# Altium PCB HLib-MBoard1.PcbDoc (part 1 of 2)
Units mm, origin at the board's own origin, x right, y up, seen from the top; angles counter-clockwise.
Board outline 101.92 x 63.82 mm, 2 copper layers (Top Layer, Bottom Layer), stack 1.671 mm thick; 134 components, 127 nets, 456 pads, 154 vias.
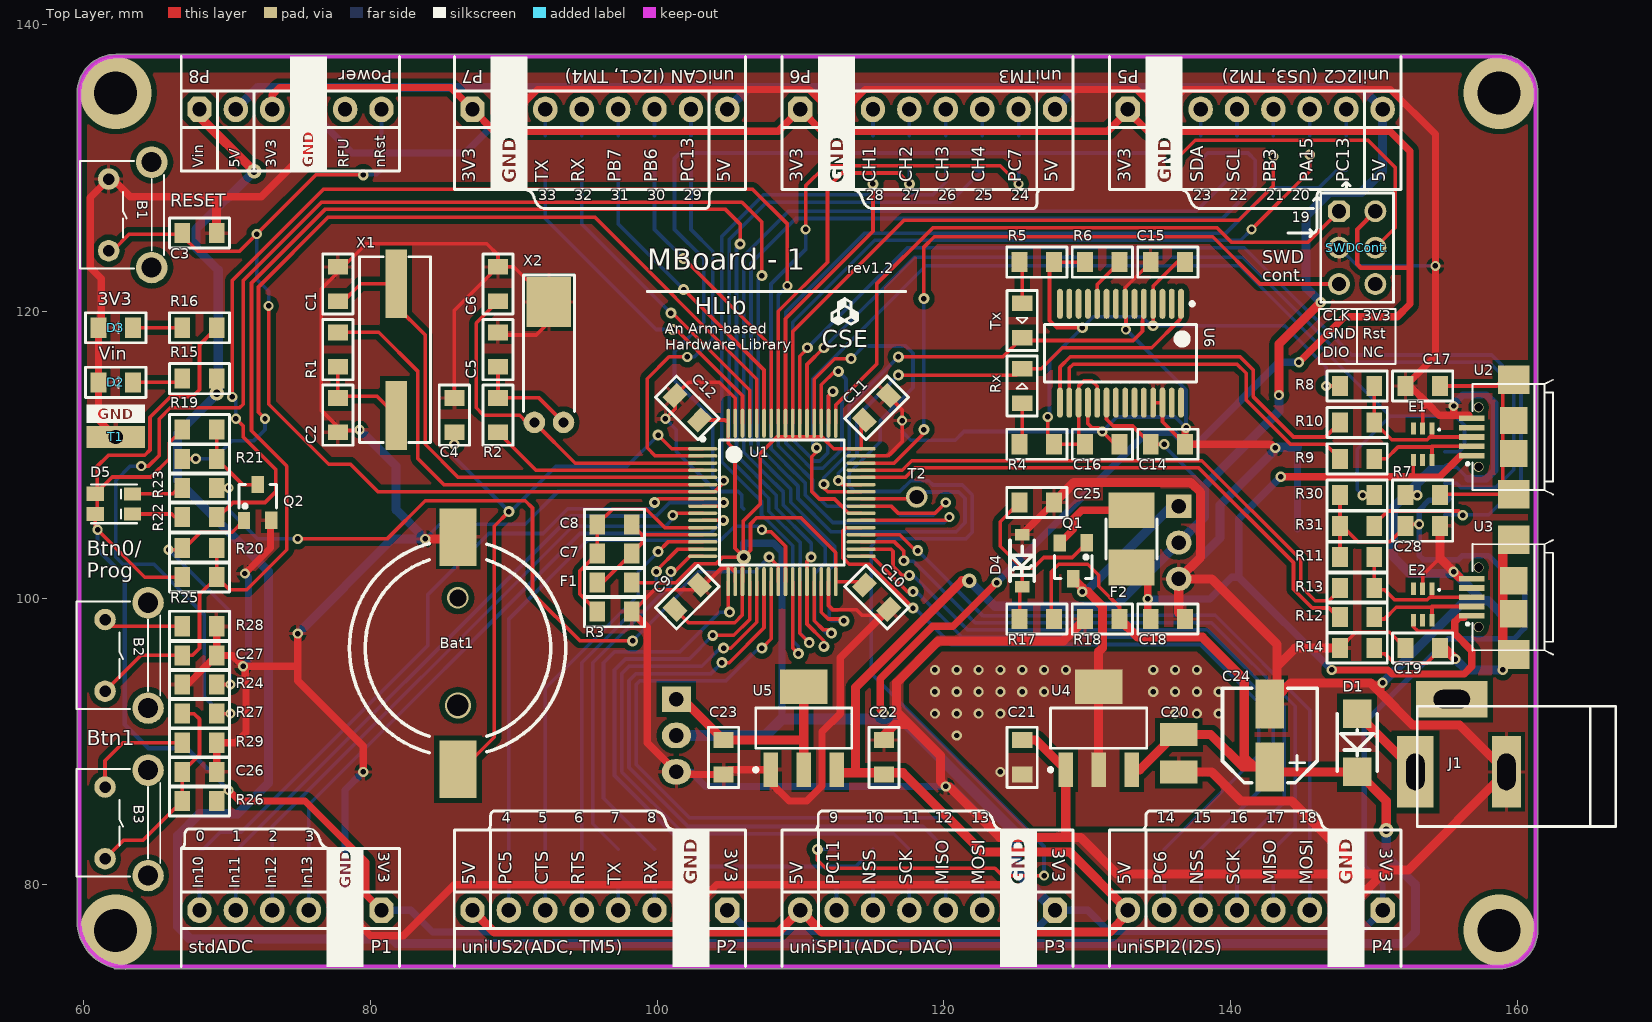
[diagram p0: Top Layer view]
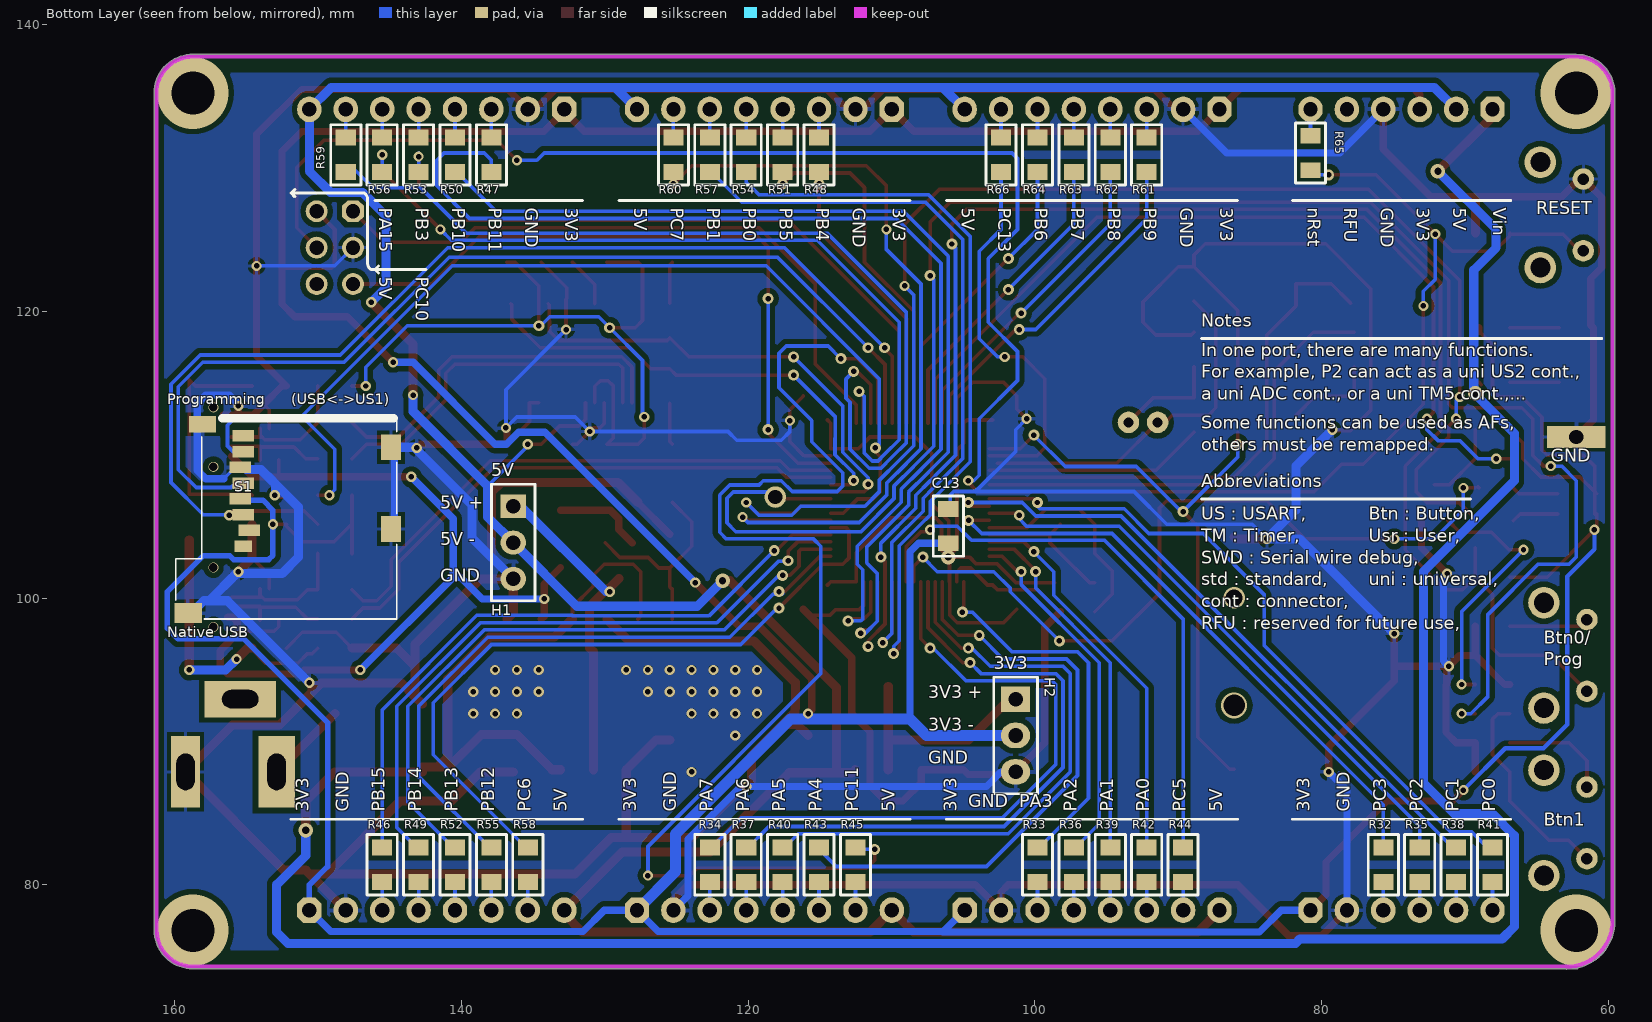
[diagram p1: Bottom Layer view, seen from below]
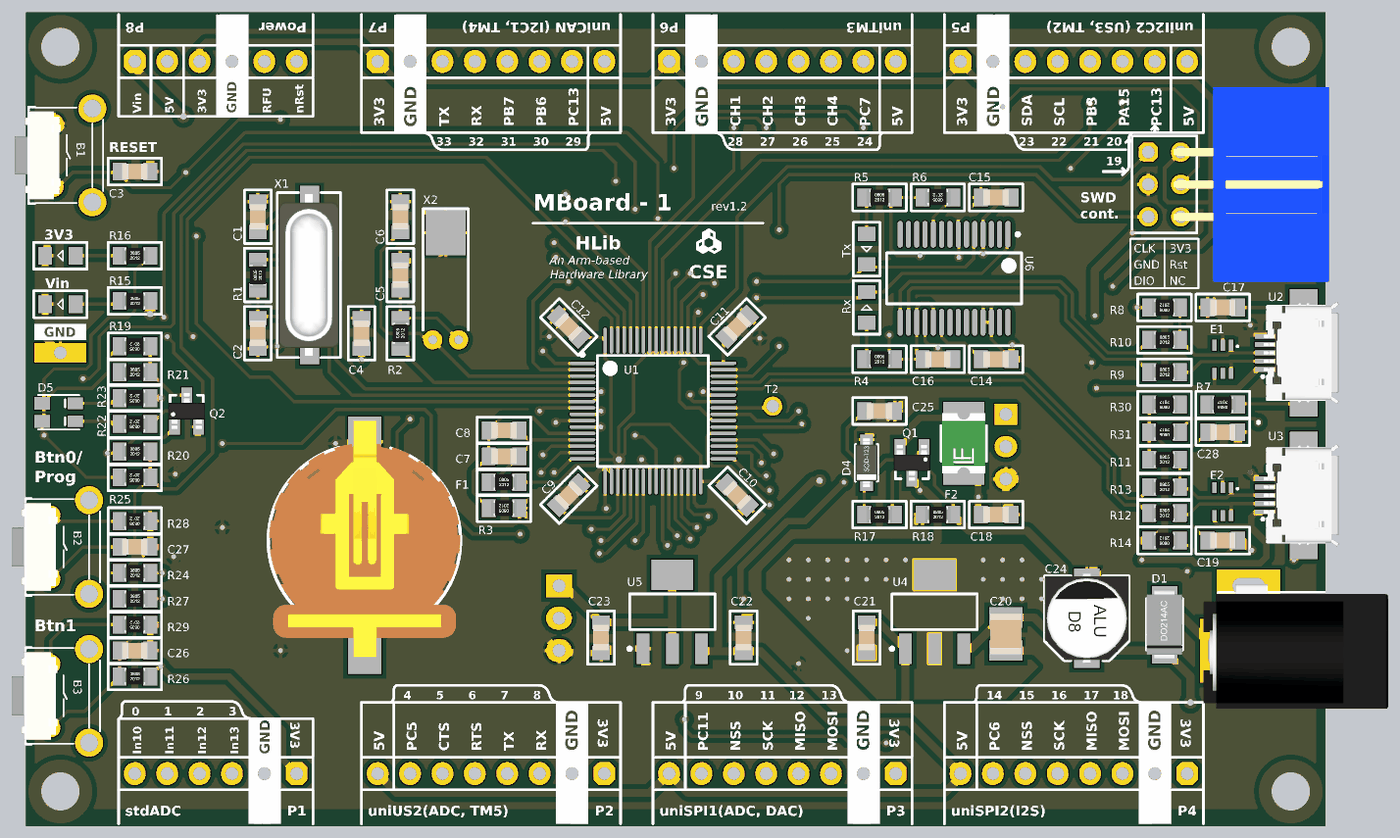
[diagram p3: 3D render of the assembled board from above, using the file's embedded part models]
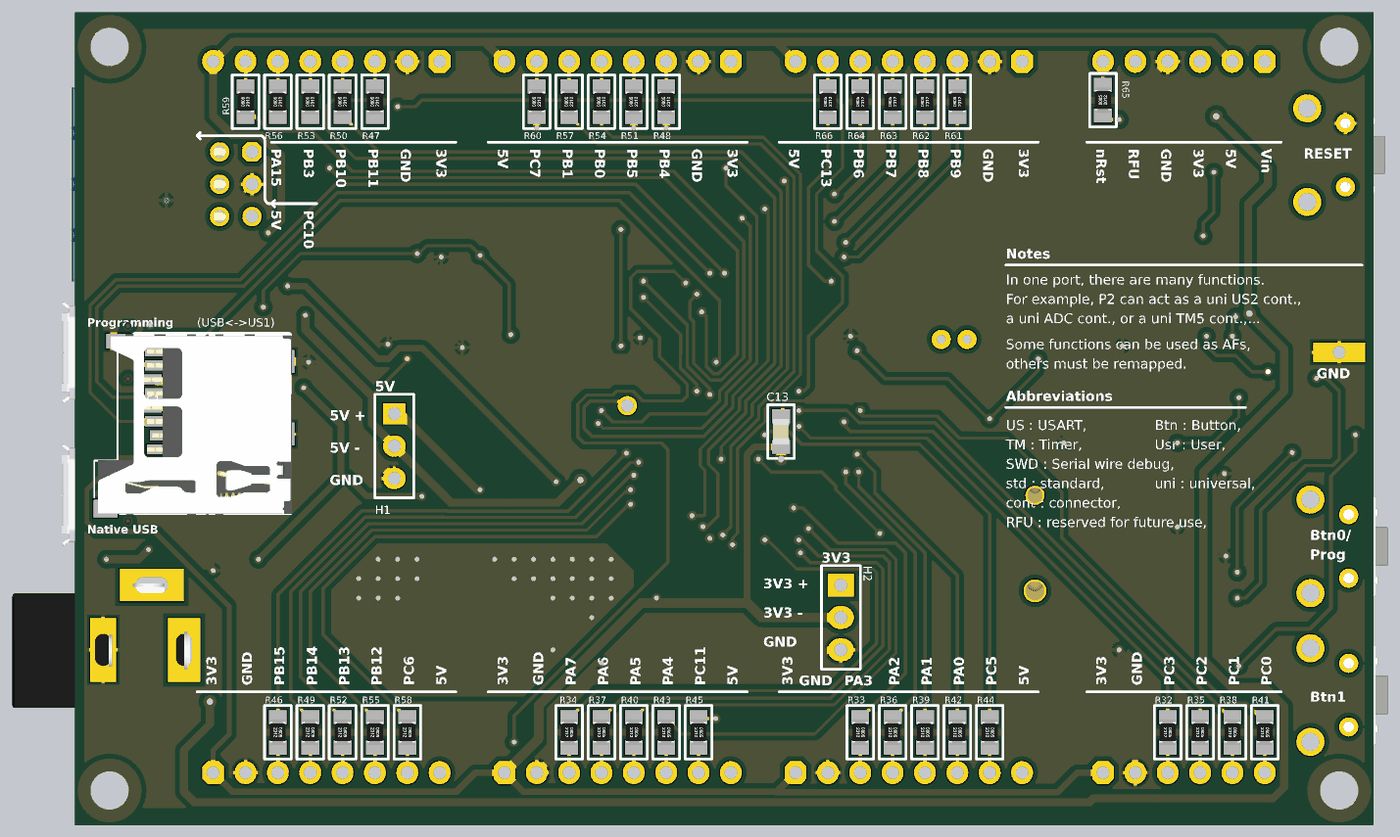
[diagram p4: 3D render of the assembled board from below, using the file's embedded part models]

## Layer stack, top to bottom
Top Solder: solder mask 0.0102, Solder Resist, Dk 3.5
Top Layer: signal copper 0.0356
Dielectric1: core 1.6, FR-4, Dk 4.8
Bottom Layer: signal copper 0.0356
Bottom Solder: solder mask 0.0102, Solder Resist, Dk 3.5

## Board outline
62.098,74.222 ccw(c62.23,74.295) 62.23,74.145 62.555,74.145 ccw(c62.888,77.476) 62.906,74.128 ccw(c62.905,74.278) 62.974,74.145 158.753,74.145 ccw(c158.753,74.295) 158.753,74.145 ccw(c158.748,76.837) 161.44,76.837 ccw(c158.748,76.837) 161.44,76.851 ccw(c158.748,76.837) 161.44,76.852 161.44,76.851 161.44,135.191 ccw(c161.306,135.258) 161.456,135.258 ccw(c161.306,135.258) 161.456,135.258 ccw(c158.764,135.253) 158.749,137.945 ccw(c158.75,137.795) 158.744,137.945 ccw(c158.737,137.795) 158.737,137.945 62.23,137.945 ccw(c62.23,137.795) 62.23,137.945 ccw(c62.235,135.253) 59.543,135.269 ccw(c59.69,135.239) 59.54,135.239 59.54,77.47 ccw(c59.69,77.47) 59.54,77.47 ccw(c62.888,77.476)

## Design rules (kind name [scope] priority, off if disabled: settings)
Clearance Clearance_1 [InPolygon] p1: gap=0.381
Clearance [(InNamedPolygon('Bot') OR InNamedPolygon('Top'))] p2: gap=0.381
Clearance Clearance_2 [All] p3: gap=0.229
DiffPairsRouting DiffPairsRouting_1 [All] p1: maxlimit=0.254 minlimit=0.254 mostfreqgap=0.254 toplayer_minwidth=0.381 toplayer_maxwidth=0.381 toplayer_prefwidth=0.381 bottomlayer_minwidth=0.381 bottomlayer_maxwidth=0.381 bottomlayer_prefwidth=0.381 maxuncoupledlength=12.7
HoleSize [All] p1: absolutevalues=TRUE maxlimit=7.62 minlimit=0.025 maxpercent=80.000 minpercent=20.000
PolygonConnect [All] p1: connectstyle=Relief reliefconductorwidth=0.254 reliefentries=4 polygonreliefangle="90 Angle" airgapwidth=0.254
PolygonConnect PolygonConnect_1 [All] p2: connectstyle=Direct reliefconductorwidth=0.254 reliefentries=4 polygonreliefangle="90 Angle" airgapwidth=0.254
RoutingVias [All] p1: holewidth=0.635 width=1.016 viastyle="Through Hole" minholewidth=0.711 minwidth=1.27 maxholewidth=0.711 maxwidth=1.27
SilkToSilkClearance [All] p1: silktosilkclearance=0.025
SolderMaskExpansion [All] p1: expansion=0.102
Width [All] p1: maxlimit=0.762 minlimit=0.254 preferedwidth=0.254
27 further rules are at their usual default settings.

## Classes and differential pairs
component class U_MB1-Hed-r1: P1 P2 P3 P4 P5 P6 P7 P8 R32 R33 R34 R35 R36 R37 R38 R39 R40 R41 R42 R43 R44 R45 R46 R47 R48 R49 R50 R51 R52 R53 R54 R55 R56 R57 R58 R59 R60 R61 R62 R63 R64 R65 R66
component class U_MB1-MCU-r1: B1 Bat1 C0 C1 C2 C3 C4 C5 C6 C7 C8 C9 C10 C11 C12 C13 F1 R1 R2 R3 SWDCont. U1 X1 X2
component class U_MB1-Pwr-r1: C20 C21 C22 C23 C24 C25 D1 D2 D3 D4 D25 F2 H1 H2 J1 Q1 R15 R16 R17 R18 T1 U4 U5
component class U_MB1-USB-r1: C14 C15 C16 C17 C18 C19 E1 E2 R4 R5 R6 R7 R8 R9 R10 R11 R12 R13 R14 Rx Tx U2 U3 U6
component class U_MB1-LED_BUTTON: B2 B3 C26 C27 D5 D51 Q2 R19 R20 R21 R22 R23 R24 R25 R26 R27 R28 R29 T2
component class U_MB1-SD_CARD: C28 R30 R31 S1
differential pair D01: +D01_P -D01_N
differential pair D03: +D03_P -D03_N
differential pair D10: +D10_P -D10_N
differential pair D11: +D11_P -D11_N

## Components (designator, comment, footprint, x,y, rotation, side; value= is the part's Value field where it differs from the comment)
B1 "Btn4" Horizon_SW_4pin_rectangular 62.738,126.746 r270 top (schematic designator B00)
B2 "User0/Boot" Horizon_SW_4pin_rectangular 62.484,96.012 r270 top (schematic designator BT51)
B3 "User1" Horizon_SW_4pin_rectangular 62.484,84.328 r270 top (schematic designator BT52)
Bat1 "PIN 3V" PIN3VSOCKET-SMD 86.106,96.52 r270 top (schematic designator B0)
C1 "CAP Ceramic" SM_0805_C_CERAMIC 77.724,121.92 r270 top (schematic designator C09)
C2 "CAP Ceramic" SM_0805_C_CERAMIC 77.724,112.776 r90 top (schematic designator C010)
C3 "CAP Ceramic" SM_0805_C_CERAMIC 68.072,125.476 r180 top (schematic designator C08)
C4 "CAP Ceramic" SM_0805_C_CERAMIC 85.852,112.776 r270 top (schematic designator C05)
C5 "CAP Ceramic" SM_0805_C_CERAMIC 88.9,117.348 r270 top (schematic designator C011)
C6 "CAP Ceramic" SM_0805_C_CERAMIC 88.9,121.92 r270 top (schematic designator C012)
C7 "CAP Ceramic" SM_0805_C_CERAMIC 97.028,103.124 r0 top (schematic designator C06)
C8 "CAP Ceramic" SM_0805_C_CERAMIC 97.028,105.156 r0 top (schematic designator C07)
C9 "CAP Ceramic" SM_0805_C_CERAMIC 102.108,100.076 r225 top (schematic designator C00)
C10 "CAP Ceramic" SM_0805_C_CERAMIC 115.316,100.076 r135 top (schematic designator C01)
C11 "CAP Ceramic" SM_0805_C_CERAMIC 115.316,113.284 r225 top (schematic designator C02)
C12 "CAP Ceramic" SM_0805_C_CERAMIC 102.108,113.284 r315 top (schematic designator C03)
C13 "CAP Ceramic" SM_0805_C_CERAMIC 106.045,105.029 r270 bottom (schematic designator C04)
C14 "CAP Ceramic" SM_0805_C_CERAMIC 135.636,110.744 r180 top (schematic designator C13)
C15 "CAP Ceramic" SM_0805_C_CERAMIC 135.636,123.444 r0 top (schematic designator C14)
C16 "CAP Ceramic" SM_0805_C_CERAMIC 131.064,110.744 r0 top (schematic designator C12)
C17 "CAP Ceramic" SM_0805_C_CERAMIC 153.416,114.808 r0 top (schematic designator C16)
C18 "CAP Ceramic" SM_0805_C_CERAMIC 135.636,98.552 r180 top (schematic designator C15)
C19 "CAP Ceramic" SM_0805_C_CERAMIC 153.416,96.52 r0 top (schematic designator C17)
C20 "CAP Ceramic" SM-1210 136.398,87.884 r90 top (schematic designator C21)
C21 "CAP Ceramic" SM_0805_C_CERAMIC 125.476,88.9 r270 top (schematic designator C22)
C22 "CAP Ceramic" SM_0805_C_CERAMIC 115.824,88.9 r270 top (schematic designator C23)
C23 "CAP Ceramic" SM_0805_C_CERAMIC 104.648,88.9 r90 top (schematic designator C24)
C24 "CapT" Cap-Alu-D8 142.748,90.424 r0 top (schematic designator C20)
C25 "CAP Ceramic" SM_0805_C_CERAMIC 126.492,106.68 r180 top
C26 "CAP_Ceramic" SM_0805_C_CERAMIC 68.072,87.884 r180 top (schematic designator C53)
C27 "CAP_Ceramic" SM_0805_C_CERAMIC 68.072,96.012 r180 top (schematic designator C51)
C28 "CAP_Ceramic" SM_0805_C_CERAMIC 153.416,105.029 r180 top (schematic designator C41)
D1 "1N4007" DO-214AC 148.844,89.916 r90 top (schematic designator D20)
D2 "Red" SM_0805_POL_LD 62.23,115.062 r180 top (schematic designator D24)
D3 "Orange" SM_0805_POL_LD 62.23,118.872 r180 top (schematic designator D25)
D4 "5V1/500mW" SOD-123 125.476,102.616 r90 top (schematic designator D23)
D5 "LedBiColor-1210" Led-BiColor 62.103,106.68 r270 top (schematic designator D51)
E1 "TPD4E1U06" SC70-6 153.416,110.744 r180 top (schematic designator E10)
E2 "TPD4E1U06" SC70-6 153.416,99.568 r180 top (schematic designator E1)
F1 "Ferrite bead" SM_0805_R 97.028,101.092 r0 top (schematic designator F00)
F2 "F0.5A" SMD-1812 133.096,104.14 r90 top (schematic designator F20)
H1 "Hed3" Hed3#1 136.398,106.426 r270 bottom (schematic designator H20)
H2 "Hed3" Hed3#2 101.346,92.964 r270 bottom (schematic designator H21)
J1 "Jac DC" DCJack 152.908,87.884 r180 top (schematic designator J20)
P1 "stdADC" Hed6 80.772,78.232 r180 top
P2 "uniUSART2/uniADC12/uniTimer5" Hed8 104.902,78.232 r180 top
P3 "uniSPI1/uniADC12/nuniDAC" Hed8 127.762,78.232 r180 top
P4 "uniSPI2/extI2S2" Hed8 150.622,78.232 r180 top (schematic designator P5)
P5 "splUSART3&3IO/uniI2C2/uniTM2" Hed8 132.842,134.112 r0 top (schematic designator P4)
P6 "uniTM3" Hed8 109.982,134.112 r0 top
P7 "uniCAN/uniI2C1/uniTM4" Hed8 87.122,134.112 r0 top
P8 "Power" Hed6 68.072,134.112 r0 top
Q1 "Si2301DS" SOT23 129.032,102.616 r180 top (schematic designator Q20)
Q2 "C1815" SOT23 72.136,106.68 r0 top (schematic designator T50)
R1 "" SM_0805_R 77.724,117.348 r90 top (schematic designator R00)
R2 "" SM_0805_R 88.9,112.776 r90 top (schematic designator R01)
R3 "" SM_0805_R 97.028,99.06 r180 top (schematic designator R09)
R4 "" SM_0805_R 126.492,110.744 r0 top (schematic designator R17)
R5 "" SM_0805_R 126.492,123.444 r0 top (schematic designator R16)
R6 "" SM_0805_R 131.064,123.444 r180 top (schematic designator R14)
R7 "" SM_0805_R 153.416,107.188 r180 top (schematic designator R110)
R8 "" SM_0805_R 148.844,114.808 r180 top (schematic designator R13)
R9 "" SM_0805_R 148.844,109.728 r0 top (schematic designator R10)
R10 "" SM_0805_R 148.844,112.268 r0 top (schematic designator R11)
R11 "" SM_0805_R 148.844,102.87 r0 top (schematic designator R12)
R12 "" SM_0805_R 148.844,98.679 r0 top (schematic designator R18)
R13 "" SM_0805_R 148.844,100.711 r0 top (schematic designator R19)
R14 "" SM_0805_R 148.844,96.52 r180 top (schematic designator R111)
R15 "" SM_0805_R 68.072,115.316 r0 top (schematic designator R21)
R16 "" SM_0805_R 68.072,118.872 r0 top (schematic designator R22)
R17 "" SM_0805_R 126.492,98.552 r0 top (schematic designator R20)
R18 "" SM_0805_R 131.064,98.552 r0 top (schematic designator R23)
R19 "" SM_0805_R 68.072,111.76 r180 top (schematic designator R58)
R20 "" SM_0805_R 68.072,103.505 r0 top (schematic designator R55)
R21 "" SM_0805_R 68.072,109.728 r0 top (schematic designator R57)
R22 "" SM_0805_R 68.072,105.664 r180 top (schematic designator R52)
R23 "" SM_0805_R 68.072,107.696 r180 top (schematic designator R51)
R24 "" SM_0805_R 68.072,93.98 r0 top (schematic designator R56)
R25 "" SM_0805_R 68.072,101.473 r180 top (schematic designator R513)
R26 "" SM_0805_R 68.072,85.852 r0 top (schematic designator R59)
R27 "" SM_0805_R 68.072,91.948 r0 top (schematic designator R511)
R28 "" SM_0805_R 68.072,98.044 r180 top (schematic designator R512)
R29 "" SM_0805_R 68.072,89.916 r180 top (schematic designator R510)
R30 "" SM_0805_R 148.844,107.188 r180 top (schematic designator R41)
R31 "" SM_0805_R 148.844,105.029 r180 top (schematic designator R42)
R32 "R" SM_0805_R 75.692,81.407 r270 bottom (schematic designator R30)
R33 "R" SM_0805_R 99.822,81.407 r270 bottom (schematic designator R34)
R34 "R" SM_0805_R 122.682,81.407 r270 bottom (schematic designator R38)
R35 "R" SM_0805_R 73.152,81.407 r270 bottom (schematic designator R31)
R36 "R" SM_0805_R 97.282,81.407 r270 bottom (schematic designator R35)
R37 "R" SM_0805_R 120.142,81.407 r270 bottom (schematic designator R39)
R38 "R" SM_0805_R 70.612,81.407 r270 bottom (schematic designator R32)
R39 "R" SM_0805_R 94.742,81.407 r270 bottom (schematic designator R36)
R40 "R" SM_0805_R 117.602,81.407 r270 bottom (schematic designator R310)
R41 "R" SM_0805_R 68.072,81.407 r270 bottom (schematic designator R33)
R42 "R" SM_0805_R 92.202,81.407 r270 bottom (schematic designator R37)
R43 "R" SM_0805_R 115.062,81.407 r270 bottom (schematic designator R311)
R44 "R" SM_0805_R 89.662,81.407 r270 bottom (schematic designator R332)
R45 "R" SM_0805_R 112.522,81.407 r270 bottom (schematic designator R333)
R46 "R" SM_0805_R 145.542,81.407 r270 bottom (schematic designator R316)
R47 "R" SM_0805_R 137.922,130.937 r90 bottom (schematic designator R312)
R48 "R" SM_0805_R 115.062,130.937 r90 bottom (schematic designator R320)
R49 "R" SM_0805_R 143.002,81.407 r270 bottom (schematic designator R317)
R50 "R" SM_0805_R 140.462,130.937 r90 bottom (schematic designator R313)
R51 "R" SM_0805_R 117.602,130.937 r90 bottom (schematic designator R321)
R52 "R" SM_0805_R 140.462,81.407 r270 bottom (schematic designator R318)
R53 "R" SM_0805_R 143.002,130.937 r90 bottom (schematic designator R314)
R54 "R" SM_0805_R 120.142,130.937 r90 bottom (schematic designator R322)
R55 "R" SM_0805_R 137.922,81.407 r270 bottom (schematic designator R319)
R56 "R" SM_0805_R 145.542,130.937 r90 bottom (schematic designator R315)
R57 "R" SM_0805_R 122.682,130.937 r90 bottom (schematic designator R323)
R58 "R" SM_0805_R 135.382,81.407 r270 bottom (schematic designator R329)
R59 "R" SM_0805_R 148.082,130.937 r90 bottom (schematic designator R330)
R60 "R" SM_0805_R 125.222,130.937 r90 bottom (schematic designator R334)
R61 "R" SM_0805_R 92.202,130.937 r90 bottom (schematic designator R324)
R62 "R" SM_0805_R 94.742,130.937 r90 bottom (schematic designator R325)
R63 "R" SM_0805_R 97.282,130.937 r90 bottom (schematic designator R326)
R64 "R" SM_0805_R 99.822,130.937 r90 bottom (schematic designator R327)
R65 "R" SM_0805_R 80.772,131.064 r90 bottom (schematic designator R328)
R66 "R" SM_0805_R 102.362,130.937 r90 bottom (schematic designator R335)
Rx "Blue" SM_0805_POL_LD 125.476,114.808 r90 top
S1 "micro-SD" micro-SD 144.526,98.552 r90 bottom (schematic designator S0)
SWDCont. "SWD" Hed3x2-RA 148.844,124.46 r270 top
T1 "TestPoint" TestPoint#1 62.23,111.252 r0 top (schematic designator TG0)
T2 "TestPoint" TestPoint#2 118.11,107.061 r0 top (schematic designator T0)
Tx "Green" SM_0805_POL_LD 125.476,119.38 r270 top
U1 "STM32F103RDT6" LQFP64_L 108.712,106.68 r0 top (schematic designator U00)
U2 "Usb2Com" USB_Micro_typeB_2 159.766,111.252 r90 top (schematic designator U0)
U3 "UsbNative" USB_Micro_typeB_2 159.766,100.076 r90 top (schematic designator U1)
U4 "AMS1117-5" MP04A_N 130.81,90.932 r90 top (schematic designator U20)
U5 "AMS1117-3.3" MP04A_N 110.236,90.932 r90 top (schematic designator U21)
U6 "PL2303-HXD" SSOP-28 132.334,117.094 r270 top (schematic designator I0)
X1 "Crystal 2 pin." HC49/US-SMD 81.788,117.348 r270 top (schematic designator X02)
X2 "Crystal 32.768 k" XT32-LOB 92.456,112.268 r180 top (schematic designator X01)

## Footprints (in the part's own frame and the unit in brackets; to place one, negate y for a bottom-side part, rotate by r counter-clockwise, add the part's x,y. Pads: shape width x height; smd on the part's side, far side on the other; paste and mask are expansions set on the pad)
Cap-Alu-D8 [mm] "Size D8, 100uF."
  rect 2x3.4 smd: 1(0,-2.2) 2(0,2.2)
  silkscreen extent -3.3,-3.3 3.3,3.3, body extent -3.3,-3.5 3.3,3.5, height 7.7
DCJack [mm]
  rect 2.54x5 hole 1.27 slot 2.54 at 90 deg: 1(0,0)
  rect 2.032x5 hole 1.27 slot 2.54 at 90 deg: 2(-6.35,0)
  rect 5x2.54 hole 1.27 slot 2.54 at 0 deg: 3(-2.54,-5.08)
  silkscreen extent -13.97,-4.57 -0.13,3.81, body extent -13.47,-5.23 1.03,4.57, height 11
DO-214AC [mm]
  rect 2x2 smd: 1(2.03,0) 2(-2.03,0)
  silkscreen extent -1.98,-1.4 2.03,1.4, body extent -2.74,-1.4 2.74,1.4, height 2.29
HC49/US-SMD [mm]
  rect 4.8x1.5 smd: 1(-4.6,0) 2(4.6,0)
  silkscreen extent -6.48,-2.54 6.48,2.41, body extent -6.35,-2.41 6.35,2.29, height 4.2
Hed3#1 [mil]
  rect 65x70 hole 40: 1(0,0)
  oval 65x70 hole 40: 2(100,0) 3(200,0)
  silkscreen extent -60,-60 260,60
Hed3#2 [mil]
  rect 70x80 hole 40: 1(0,0)
  oval 70x80 hole 40: 2(100,0) 3(200,0)
  silkscreen extent -60,-60 260,60
Hed3x2-RA [mil]
  oct 60x60 hole 39.37: 1(-100,-50)
  round 60 hole 39.37: 2(-100,50) 3(0,-50) 4(0,50) 5(100,-50) 6(100,50)
  Mechanical 15 keep-out lines w3.94: 150,-100 150,100 -150,100 -150,-100
  silkscreen extent -150,-100 150,100, body extent -300,28 300,508, height 373
Hed6 [mm] "Header 6 pin 2.54mm"
  oct 1.7x1.8 hole 1: 1(0,0)
  oval 1.7x1.8 hole 1: 2(2.54,0) 3(5.08,0) 4(7.62,0) 5(10.16,0) 6(12.7,0)
  silkscreen extent -1.27,-1.27 13.97,1.27, body extent -1.27,-1.27 13.97,1.27, height 8
Hed8 [mm]
  oct 1.7x1.8 hole 1: 1(0,0)
  oval 1.7x1.8 hole 1: 2(2.54,0) 3(5.08,0) 4(7.62,0) 5(10.16,0) 6(12.7,0) 7(15.24,0) 8(17.78,0)
  silkscreen extent -1.27,-1.27 19.05,1.27, body extent -1.27,-1.27 19.05,1.27, height 8
Horizon_SW_4pin_rectangular [mm] "Horizon tact switch 4pin rectangular button"
  round 1.5 hole 0.8: 1(-2.5,-1) 2(2.5,-1)
  round 2.2 hole 1.4: 3(-3.675,2) 4(3.675,2)
  silkscreen extent -3.75,-3 3.75,2.85, body extent -3.9,-4.1 3.9,-0.5, height 3.5
Led-BiColor [mm]
  rect 0.9x1.2 smd: 1(0.8,1.3) 2(-0.6,1.3)
  rect 1x1.2 smd: 3(-0.6,-1.3) 4(0.8,-1.3)
  silkscreen extent -1.25,-1.6 1.45,1.6
LQFP64_L [mm] "Thin QFP, 64-Leads, Body 10x10mm, Pitch 0.5mm, IPC High Density"
  oval 2.032x0.254 smd: 1(-5.525,3.75) 2(-5.525,3.25) 3(-5.525,2.75) 4(-5.525,2.25) 5(-5.525,1.75) 6(-5.525,1.25) 7(-5.525,0.75) 8(-5.525,0.25) 9(-5.525,-0.25) 10(-5.525,-0.75) 11(-5.525,-1.25) 12(-5.525,-1.75) 13(-5.525,-2.25) 14(-5.525,-2.75) 15(-5.525,-3.25) 16(-5.525,-3.75) 33(5.525,-3.75) 34(5.525,-3.25) 35(5.525,-2.75) 36(5.525,-2.25) 37(5.525,-1.75) 38(5.525,-1.25) 39(5.525,-0.75) 40(5.525,-0.25) 41(5.525,0.25) 42(5.525,0.75) 43(5.525,1.25) 44(5.525,1.75) 45(5.525,2.25) 46(5.525,2.75) 47(5.525,3.25) 48(5.525,3.75)
  oval 0.254x2.032 smd: 17(-3.75,-5.525) 18(-3.25,-5.525) 19(-2.75,-5.525) 20(-2.25,-5.525) 21(-1.75,-5.525) 22(-1.25,-5.525) 23(-0.75,-5.525) 24(-0.25,-5.525) 25(0.25,-5.525) 26(0.75,-5.525) 27(1.25,-5.525) 28(1.75,-5.525) 29(2.25,-5.525) 30(2.75,-5.525) 31(3.25,-5.525) 32(3.75,-5.525) 49(3.75,5.525) 50(3.25,5.525) 51(2.75,5.525) 52(2.25,5.525) 53(1.75,5.525) 54(1.25,5.525) 55(0.75,5.525) 56(0.25,5.525) 57(-0.25,5.525) 58(-0.75,5.525) 59(-1.25,5.525) 60(-1.75,5.525) 61(-2.25,5.525) 62(-2.75,5.525) 63(-3.25,5.525) 64(-3.75,5.525)
  silkscreen extent -5.65,-4.35 4.35,4.55, body extent -5,-5 5,5, height 1.6
micro-SD [mm]
  rect 0.8x1.219 smd: 1(5.08,10.703)
  rect 0.8x1.5 smd: 2(6.18,10.303) 3(7.28,10.703) 4(8.38,10.903) 5(9.48,10.703) 6(10.58,10.903) 7(11.68,10.703) 8(12.78,10.703)
  rect 1.8x1.4 smd: 9(11.98,0.403) 10(6.28,0.403)
  rect 1.4x1.9 smd: 11(0.43,14.553)
  rect 1.168x1.9 smd: 12(13.58,13.553)
  silkscreen extent 0,0 14,15.42, body extent -0.08,-0.07 14.17,15.13, height 1.85
MP04A_N [mm] "SOT223, 4-Leads, Body 6.5x3.5mm, Pitch 2.3mm, Lead Span 7mm, IPC Medium Density"
  rect 2.4x1 smd: 1(-2.9,2.3) 2(-2.9,0) 3(-2.9,-2.3)
  rect 2.4x3.3 smd: 4(2.9,0)
  silkscreen extent -3.02,-3.35 1.4,3.47, body extent -1.85,-3.35 1.85,3.35, height 1.8
PIN3VSOCKET-SMD [mm]
  rect 4x2.6 smd: 1(8.46,0) 2(-7.74,0)
  silkscreen extent -7.3,-7.57 7.3,7.52, body extent -9.4,-7.5 9.1,7.5, height 3.94
SC70-6 [mm]
  rect 0.35x0.85 smd: 1(-0.65,-1.1) 2(0,-1.1) 3(0.65,-1.1) 4(0.65,1.1) 5(0,1.1) 6(-0.65,1.1)
  silkscreen extent -1.16,-1.03 -1.14,-1.01, body extent -1.07,-0.7 1.07,0.7, height 1.1
SM-1210 [mm]
  rect 1.6x2.6 smd: 1(0,0) 2(2.6,0)
  body extent -0.3,-1.25 2.9,1.25, height 0.74
SM_0805_C_CERAMIC [mm] "SM capacitor"
  rect 1.1x1.4 smd: 1(-1.2,0) 2(1.2,0)
  silkscreen extent -2.1,-1.05 2.1,1.05, body extent -1,-0.62 1,0.63, height 0.58
SM_0805_POL_LD [mm] "General polarized surface-mount cap, led, diode, low density"
  rect 1.1x1.4 smd: 1(-1.2,0) 2(1.2,0)
  silkscreen extent -2.1,-1.05 2.1,1.05, body extent -1.2,-0.7 1.2,0.7, height 0.7
SM_0805_R [mm] "General Surface-mount resistor, low density"
  rect 1.1x1.4 smd: 1(-1.2,0) 2(1.2,0)
  silkscreen extent -2.1,-1.05 2.1,1.05, body extent -1,-0.63 1,0.62, height 0.45
SMD-1812 [mm] "1.1AFuse"
  rect 2.5x3.2 smd: 1(-2,0) 2(2,0)
  silkscreen extent -1.4,-1.78 1.4,1.78, body extent -2.36,-1.7 2.37,1.71, height 1.34
SOD-123 [mm]
  rect 0.8x1 smd: 1(1.825,0) 2(-1.825,0)
  silkscreen extent -1.43,-0.85 1.43,0.85, body extent -1.93,-0.84 1.93,0.86, height 1.42
SOT23 [mm]
  rect 0.85x1.2 smd: 1(-0.95,-1.25) 2(0.94,-1.245) 3(0,1.25)
  silkscreen extent -1.3,-0.38 1.3,1.25, body extent -1.45,-1.4 1.45,1.4, height 1.3
SSOP-28 [mm]
  oval 2.1x0.4 smd: 1(-3.45,4.225) 2(-3.45,3.575) 3(-3.45,2.925) 4(-3.45,2.275) 5(-3.45,1.625) 6(-3.45,0.975) 7(-3.45,0.325) 8(-3.45,-0.325) 9(-3.45,-0.975) 10(-3.45,-1.625) 11(-3.45,-2.275) 12(-3.45,-2.925) 13(-3.45,-3.575) 14(-3.45,-4.225) 15(3.45,-4.225) 16(3.45,-3.575) 17(3.45,-2.925) 18(3.45,-2.275) 19(3.45,-1.625) 20(3.45,-0.975) 21(3.45,-0.325) 22(3.45,0.325) 23(3.45,0.975) 24(3.45,1.625) 25(3.45,2.275) 26(3.45,2.925) 27(3.45,3.575) 28(3.45,4.225)
  silkscreen extent -3.57,-5.3 2,5.3, body extent -2.7,-5.3 2.7,5.3, height 2
TestPoint#1 [mil]
  rect 160x60 hole 39.37: 1(0,0)
TestPoint#2 [mil]
  round 59.06 hole 39.37: 1(0,0)
USB_Micro_typeB_2 [mm] "5 pins"
  rect 0.381x1.8 smd: 1(-1.307,2.929) 5(1.293,2.929)
  rect 0.4x1.8 smd: 2(-0.657,2.929) 3(-0.007,2.929) 4(0.643,2.929)
  rect 2x2.2 smd: 6(-4.007,0) 6(3.993,0)
  rect 1.9x1.9 smd: 6(-1.157,0) 6(1.143,0)
  round 0.7 hole 0.6 unplated: ""(-2.082,2.45) ""(2.068,2.45)
  silkscreen extent -4.01,-2.75 3.99,3.27, body extent -4.01,-2.76 3.99,3.15, height 2.69
XT32-LOB [mm] "Crystal 32K, cylinder, lie on board"
  rect 3.1x3.5 smd: 0(0,-8.4)
  round 1.5 hole 0.7: 1(-1.016,0) 2(1.016,0)
  silkscreen extent -1.78,-10.29 1.78,-0.76, body extent -1.56,-9.56 1.52,-1.36, height 3.1

## Part data
B2 B3: library part Button, "Tact switch"
Bat1: "Battery 3VDC"
C1 C2 C3 C4 C5 C6 C7 C8 C9 C10 C11 C12 C13 C14 C15 C16 C17 C18 C19 C20 C21 C22 C23 C25: "Non-polarity ceramic capacitor"
C24: library part CapA
C26 C27 C28: library part C_Ceramic, "Non-polarity ceramic capacitor"
D1: library part D1A, "Diode 1A"
D2 D3 Rx Tx: library part LED, "LED"
D4: library part DZ, "Diode Zenner"
F1 R1 R2 R3 R4 R5 R6 R7 R8 R9 R10 R11 R12 R13 R14 R15 R16 R17 R18 R19 R20 R21 R22 R23 R24 R25 R26 R27 R28 R29 R30 R31: library part R, "Resistor"
F2: library part Fuse, "Fuse"
J1: library part DCIN, "Jac DC input"
P1 P8: library part Hed6
P2 P3 P4 P5 P6 P7: library part Hed8
Q1: library part P-MOSFET, "P-Channel 1.25-W, 2.5-V MOSFET"
R32 R33 R34 R35 R36 R37 R38 R39 R40 R41 R42 R43 R44 R45 R46 R47 R48 R49 R50 R51 R52 R53 R54 R55 R56 R57 R58 R59 R60 R61 R62 R63 R64 R65 R66: "Resistor"
SWDCont.: library part HD_3x2, "Header, 3-pins/row, double row,"
U1: library part STM32F103RBT6, "STM32 ARM-based 32-bit MCU with 128 Kbytes Flash, 64-pin LQFP, Industrial Temperature"
U2 U3: library part USB-Mini-B
U4 U5: library part LM1117IMP-3.3, "800mA Low-Dropout Linear Regulator, 4-pin SOT-223"
X1: library part XT2
X2: library part XT32k

## Via types
v1: diameter 0.711, hole 0.381, Top Layer to Bottom Layer, tented both sides, 92 vias
v2: diameter 0.762, hole 0.381, Top Layer to Bottom Layer, tented both sides, 51 vias
v3: diameter 1.016, hole 0.508, Top Layer to Bottom Layer, tented both sides, 5 vias
v4: diameter 5, hole 3, Top Layer to Bottom Layer, tented both sides, 4 vias
v5: diameter 1.8, hole 1.5, Top Layer to Bottom Layer, 1 vias
v6: diameter 1.5, hole 1.2, Top Layer to Bottom Layer, 1 vias

## Nets (pads, with @x,y where several pads share a name; then routed paths per layer and width w, separated by ;. In a path a pad name is that pad's centre, name@x,y a point inside that pad or via, vN(x,y) a via of type N, cw(c..) or ccw(c..) an arc to the next point about the centre after c; other vN are vias at no path point)
3V3: C9.2 C10.2 C11.2 C12.2 C13.2 C28.2 D5.3 D5.4 F1.2 H2.2 P1.1 P2.1 P3.1 P4.1 P5.1 P6.1 P7.1 P8.3 R11.1 R16.2 R19.2 R25.2 R26.2 R30.2 R31.2 S1.4 SWDCont..2 U1.19 U1.32 U1.48 U1.64 | length 469.5
  Top Layer w0.254: D5.4@60.803,105.88 60.803,104.932 v1(60.96,104.775) 64.262,101.473 R25.2@66.872,101.473 ; D5.3@60.803,107.28 D5.3@60.93,107.407 ; D5.4@60.93,105.88 D5.3@60.93,107.407 ; R19.2@66.872,111.76 65.966,110.854 65.966,109.728 64.696,108.458 61.981,108.458 D5.3@60.93,107.407 ; R16.2@69.272,118.872 69.018,118.618 68.072,117.672 68.072,114.554 67.564,114.046 66.04,114.046 64.618,112.624 64.618,110.338 64.262,109.982 61.722,109.982 60.93,109.19 D5.3@60.93,107.407 ; F1.2@98.609,101.092 101.346,101.092 102.672,102.418 104.12,102.418 104.572,102.87 v3@106.02,102.87 ; C9.2@101.259,99.227 102.189,98.298 105.41,98.298 105.945,98.833 105.945,101.138 U1.19@105.962,101.155 105.962,102.787 106.02,102.845 v3@106.02,102.87 ; C12.2@102.957,112.435 104.732,112.435 U1.64@104.962,112.205 104.962,110.811 105.435,110.338 105.435,103.48 v3@106.02,102.895 ; C10.2@114.467,100.925 114.237,101.155 U1.32@112.462,101.155 112.462,103.184 110.018,105.628 106.963,105.628 106.517,105.182 106.517,103.342 v3(106.045,102.87) v3@106.02,102.87 ; C11.2@114.467,112.435 114.237,112.205 U1.48@114.237,110.43 112.328,110.43 111.506,111.252 108.356,111.252 107.188,110.084 107.188,106.553 106.02,105.385 v3@106.02,102.895 ; R11.1@147.644,103.124 R31.2@147.644,105.029 R31.2@147.644,105.156 ; R30.2@147.644,107.188 R31.2@147.644,105.156 ; C28.2@152.216,105.029 151.13,103.943 148.901,103.943 147.688,105.156 R31.2@147.644,105.156 ; C28.2@152.216,105.156 v1(153.162,105.156) ; v3@106.02,102.87 v3@106.02,102.895
  Top Layer w0.305: SWDCont..2@150.114,127 148.844,125.73 148.844,123.317 149.098,123.063 152.527,123.063
  Top Layer w0.508: R16.2@69.018,118.618 R16.2@69.018,118.872 ; v1@70.034,86.684 v1(70.104,86.614) 70.866,85.852 75.438,85.852 79.686,81.604 79.686,79.318 P1.1@80.772,78.232 ; P8.3@73.152,134.112 73.152,135.128 73.66,135.636 85.598,135.636 P7.1@87.122,134.112 88.646,132.588 108.458,132.588 P6.1@109.982,134.112 111.506,132.588 131.445,132.588 132.842,133.985 134.264,132.563 151.155,132.563 152.527,131.191 152.527,123.063 152.527,120.523 151.638,119.634 147.955,119.634 v1(144.78,116.459) ; v1(115.824,91.948) 115.57,92.202 115.57,94.372 119.242,98.044 120.65,98.044 v1(123.698,101.092)
  Bottom Layer w0.305: v1(60.96,104.775) 60.96,103.422 62.865,101.517 62.865,91.186 64.516,89.535 67.183,89.535 v1(70.104,86.614)
  Bottom Layer w0.381: P4.1@150.622,78.232 150.622,80.01 149.352,81.28 149.352,91.32 155.193,97.161 159.772,97.161 160.528,97.917 160.528,100.457 158.009,102.976 156.189,102.976 155.905,102.692 153.467,102.692 153.162,102.997 v1(153.162,105.156) 153.162,106.13 153.873,106.841 S1.4@155.083,106.841
  Bottom Layer w0.508: P1.1@80.772,78.232 82.804,78.232 84.328,76.708 106.426,76.708 ; P2.1@104.902,78.232 106.388,76.746 126.276,76.746 P3.1@127.762,78.232 130.048,78.232 131.534,76.746 149.136,76.746 P4.1@150.622,78.232 ; v3(106.045,102.87) C13.2@106.045,103.829 108.121,103.829 108.712,103.238 108.712,91.567 ; v1(123.698,101.092) 134.188,111.582 136.025,111.582 136.864,110.744 137.668,110.744 143.383,116.459 v1(144.78,116.459) ; S1.4@155.083,106.841 S1.4@155.175,106.932
  Bottom Layer w0.762: H2.2@101.346,90.424 107.569,90.424 108.712,91.567 ; 108.521,91.376 108.712,91.567 ; P3.1@127.762,78.232 125.07,80.924 125.07,83.543 117.045,91.567 108.712,91.567
5V: C14.2 C22.2 H1.2 P2.8 P3.8 P4.8 P5.8 P6.8 P7.8 P8.2 U5.3 U6.20 | length 240.8
  Top Layer w0.254: U6.20@131.359,113.644 131.359,112.481 131.826,112.014 133.166,112.014 C14.2@134.436,110.744 v1(135.382,110.744)
  Top Layer w0.635: P2.8@87.122,78.232 88.646,76.708 108.458,76.708 P3.8@109.982,78.232 111.506,76.708 131.572,76.708 132.842,77.978 P4.8@132.842,78.232 128.778,82.296 122.682,82.296 117.154,87.824 115.824,87.824 113.792,87.824 ; U5.3@112.536,88.032 112.744,87.824 113.792,87.824 ; v3(121.793,101.219) 121.285,101.219 113.83,93.764 113.83,87.862 113.792,87.824 ; v1(143.383,114.173) 143.383,117.729 v1(146.304,120.65)
  Bottom Layer w0.254: v1(135.382,110.744) 135.382,110.617 138.176,107.823
  Bottom Layer w0.635: P8.2@70.612,134.112 72.136,135.636 106.426,135.636 ; P7.8@104.902,134.112 106.426,135.636 ; v3(121.793,101.219) 123.571,99.441 131.953,99.441 H1.2@136.398,103.886 138.176,105.664 138.176,107.823 143.383,113.03 v1(143.383,114.173) ; P6.8@127.762,134.112 129.286,135.636 ; v1(146.304,120.65) 145.288,121.666 145.288,126.695 146.914,128.321 149.149,128.321 150.622,129.794 P5.8@150.622,134.112 149.098,135.636 129.286,135.636 ; 106.426,135.636 129.286,135.636
AIN0: R41.1 U1.8 | length 47.5
  Top Layer w0.254: v2(99.822,106.68) 100.072,106.93 U1.8@103.187,106.93
  Bottom Layer w0.254: R41.1@68.072,82.48 68.319,82.48 69.532,83.693 70.993,83.693 84.01,96.71 84.01,100.266 88.265,104.521 92.05,104.521 93.777,106.248 99.644,106.248 99.822,106.426 v2(99.822,106.68)
AIN1: R38.1 U1.9 | length 45.6
  Top Layer w0.254: U1.9@103.187,106.43 104.398,106.43 v2(104.648,106.68)
  Bottom Layer w0.254: R38.1@70.612,82.48 70.727,82.48 93.987,105.74 99.949,105.74 100.889,106.68 v2(104.648,106.68)
AIN2: R35.1 U1.10 | length 40.8
  Top Layer w0.254: v2(101.092,105.791) 101.231,105.93 U1.10@103.187,105.93
  Bottom Layer w0.254: R35.1@73.152,82.48 73.152,84.074 94.107,105.029 100.584,105.029 101.092,105.537 v2(101.092,105.791)
AIN3: R32.1 U1.11 | length 41.7
  Top Layer w0.254: U1.11@103.187,105.43 v2(104.628,105.43)
  Bottom Layer w0.254: R32.1@75.692,82.48 75.692,85.598 94.615,104.521 103.719,104.521 v2(104.628,105.43)
BOOT0: R21.1 U1.60 | length 61.3
  Top Layer w0.254: R21.1@66.872,109.728 v1(67.818,109.728) ; v1(72.644,112.522) 72.187,112.979 72.187,121.717 77.064,126.594 95.656,126.594 106.962,115.288 U1.60@106.962,112.205
  Bottom Layer w0.254: v1(67.818,109.728) 69.088,109.728 70.358,110.998 71.882,110.998 72.644,111.76 v1(72.644,112.522)
BOOT1: B2.2 C27.2 R20.2 R25.1 U1.28 | length 110.1
  Top Layer w0.254: B2.2@61.484,93.512 63.984,96.012 C27.2@66.872,96.012 67.564,96.012 68.072,96.52 68.072,100.273 R25.1@69.272,101.473 R20.2@69.272,103.505 ; R25.1@69.307,101.438 70.161,100.584 71.374,100.584 74.168,103.378 74.168,109.22 71.704,111.684 71.704,121.996 76.835,127.127 104.775,127.127 105.791,126.111 v2(105.791,124.714) ; v2@110.617,102.743 110.462,102.588 U1.28@110.462,101.155 110.462,98.199 111.633,97.028 v2(111.633,96.647)
  Bottom Layer w0.254: v2(105.791,124.714) 105.537,124.46 105.537,109.971 106.934,108.574 106.934,108.549 107.307,108.176 107.324,108.176 108.306,107.194 108.306,106.285 110.744,103.846 v2(110.744,102.87)
CAN_RX/I2C1_SCK/TM4_CH3: R62.1 U1.61 | length 22.6
  Top Layer w0.254: v2@101.028,119.951 106.462,114.518 U1.61@106.462,112.205
  Bottom Layer w0.254: R62.1@94.742,129.864 94.742,126.111 v2(100.965,119.888)
CAN_TX/I2C1_SDA/TM4_CH4: R61.1 U1.62 | length 24.1
  Top Layer w0.254: v2@101.219,118.872 105.962,114.129 U1.62@105.962,112.205
  Bottom Layer w0.254: R61.1@92.202,129.864 92.202,126.492 99.949,118.745 v2(101.092,118.745)
CLOCKOUT: R27.2 T2.1 U1.41 | length 125.2
  Top Layer w0.254: v1(64.008,109.22) 64.516,109.22 65.278,109.982 65.278,112.522 66.04,113.284 70.866,113.284 71.12,113.538 71.12,122.174 76.581,127.635 105.918,127.635 107.315,126.238 v2(107.315,122.511) ; R27.2@69.272,91.948 v1(70.231,91.948) ; U1.41@114.237,106.93 117.979,106.93 T2.1@118.11,107.061
  Bottom Layer w0.254: v1(64.008,109.22) 63.246,109.22 62.23,108.204 62.23,102.87 62.738,102.362 64.897,102.362 68.396,98.863 68.396,93.148 69.596,91.948 v1(70.231,91.948) ; v2(107.315,122.511) 107.061,122.257 107.061,110.603 108.458,109.206 108.458,109.197 109.83,107.825 109.83,106.955 112.137,104.648 120.879,104.648 121.488,105.258 121.488,106.985 121.056,107.417 118.466,107.417 T2.1@118.11,107.061
D01_N: E1.6 R9.2 U2.2 | length 7.1
  Top Layer w0.254: R9.2@150.044,109.728 150.872,109.728 151.7,110.555 153.949,110.555 ; E1.6@154.066,109.644 154.066,110.438 ; 154.066,110.595 U2.2@156.075,110.595
D01_P: E1.1 R8.1 R10.2 U2.3 | length 9.8
  Top Layer w0.254: R8.1@150.044,114.808 R10.2@150.044,112.268 151.249,111.063 153.738,111.063 153.92,111.245 ; E1.1@154.066,111.844 154.066,111.391 153.92,111.245 ; U2.3@156.075,111.245 153.92,111.245
D03_N: R9.1 U6.16 | length 25.2
  Top Layer w0.254: U6.16@128.759,113.644 128.759,116.059 129.032,116.332 140.462,116.332 141.097,115.697 141.097,113.836 144.189,110.744 146.628,110.744 R9.1@147.644,109.728
D03_P: R10.1 U6.15 | length 26.1
  Top Layer w0.254: U6.15@128.109,113.644 128.109,116.127 128.822,116.84 140.672,116.84 141.605,115.907 141.605,114.046 144.399,111.252 146.628,111.252 R10.1@147.644,112.268
D10_N: E2.6 R12.2 U3.2 | length 7.1
  Top Layer w0.254: R12.2@150.044,98.552 150.749,98.552 151.576,99.379 153.949,99.379 ; E2.6@154.066,98.468 154.066,99.262 ; 154.066,99.419 U3.2@156.075,99.419
D10_P: E2.1 R11.2 R13.2 U3.3 | length 9.4
  Top Layer w0.254: R11.2@150.044,103.124 150.044,100.584 150.749,100.584 151.446,99.887 153.738,99.887 153.92,100.069 U3.3@156.075,100.069 ; 154.066,100.215 E2.1@154.066,100.668
D11_N: R12.1 U1.44 | length 39.1
  Top Layer w0.254: U1.44@114.237,108.43 117.32,108.43 117.983,109.093 137.795,109.093 144.399,102.489 144.399,100.628 145.713,99.314 146.882,99.314 R12.1@147.644,98.552
D11_P: R13.1 U1.45 | length 39.1
  Top Layer w0.254: U1.45@114.237,108.938 117.11,108.938 117.773,109.601 138.005,109.601 144.907,102.699 144.907,100.838 145.923,99.822 146.882,99.822 R13.1@147.644,100.584
DATALINE_BIT0: R30.1 S1.7 U1.39 | length 75.9
  Top Layer w0.254: v2@111.252,110.338 110.795,109.88 110.795,107.442 111.315,106.922 112.379,106.922 113.371,105.93 U1.39@114.237,105.93 ; v1(149.225,107.188) R30.1@150.044,107.188
  Bottom Layer w0.254: v2(111.125,110.49) 111.125,110.465 110.871,110.719 110.871,115.316 118.745,123.19 140.661,123.19 151.152,112.7 ; v1(149.225,107.188) 148.844,107.569 148.844,110.392 151.152,112.7 ; S1.7@154.975,110.232 155.952,110.232 156.337,110.617 156.337,112.069 155.706,112.7 151.152,112.7
DEBUGGREEN: R23.1 U1.24 | length 54.2
  Top Layer w0.254: R23.1@69.018,107.696 R23.1@69.088,107.766 ; R23.1@69.272,107.696 v1(70.104,107.696) ; v1(74.93,104.14) 81.153,104.14 83.82,106.807 90.805,106.807 91.313,106.299 91.313,100.33 94.615,97.028 v2(98.298,97.028) ; v2(107.823,102.87) 108.462,102.231 U1.24@108.462,101.155
  Bottom Layer w0.254: v1(70.104,107.696) 70.104,106.172 72.136,104.14 v1(74.93,104.14) ; v2(98.298,97.028) 101.727,100.457 101.727,100.711 102.87,101.854 106.807,101.854 v2(107.823,102.87)
DEBUGRED: R22.1 U1.40 | length 100
  Top Layer w0.254: R22.1@69.272,105.537 70.415,106.68 72.644,106.68 73.406,107.442 73.406,108.966 71.12,111.252 71.12,112.014 v1(70.612,112.522) ; v1(70.358,114.046) 70.358,122.174 76.708,128.524 106.68,128.524 109.093,126.111 v1(109.093,121.793) ; U1.40@114.237,106.43 116.328,106.43 116.84,105.918 119.38,105.918 v1(120.142,106.68)
  Bottom Layer w0.254: v1(70.358,114.046) 70.612,113.792 v1(70.612,112.522) ; v1(109.093,121.793) 108.458,121.158 108.458,110.643 109.474,109.627 109.474,109.618 110.871,108.221 110.871,107.416 111.861,106.426 116.332,106.426 116.967,105.791 119.253,105.791 v1(120.142,106.68)